# Altium PCB Hrafn_backup.PcbDoc (part 3 of 5)
Units mil, origin at the board's own origin, x right, y up, seen from the top; angles counter-clockwise.
Board outline 3346.46 x 3729.53 mil, 6 copper layers (Top Layer, GND, Internal Top, Internal Bottom, PWR, Bottom Layer), stack 55.468 mil thick; 375 components, 229 nets, 1217 pads, 760 vias.
Unrouted connection lines stored in the file: 2.
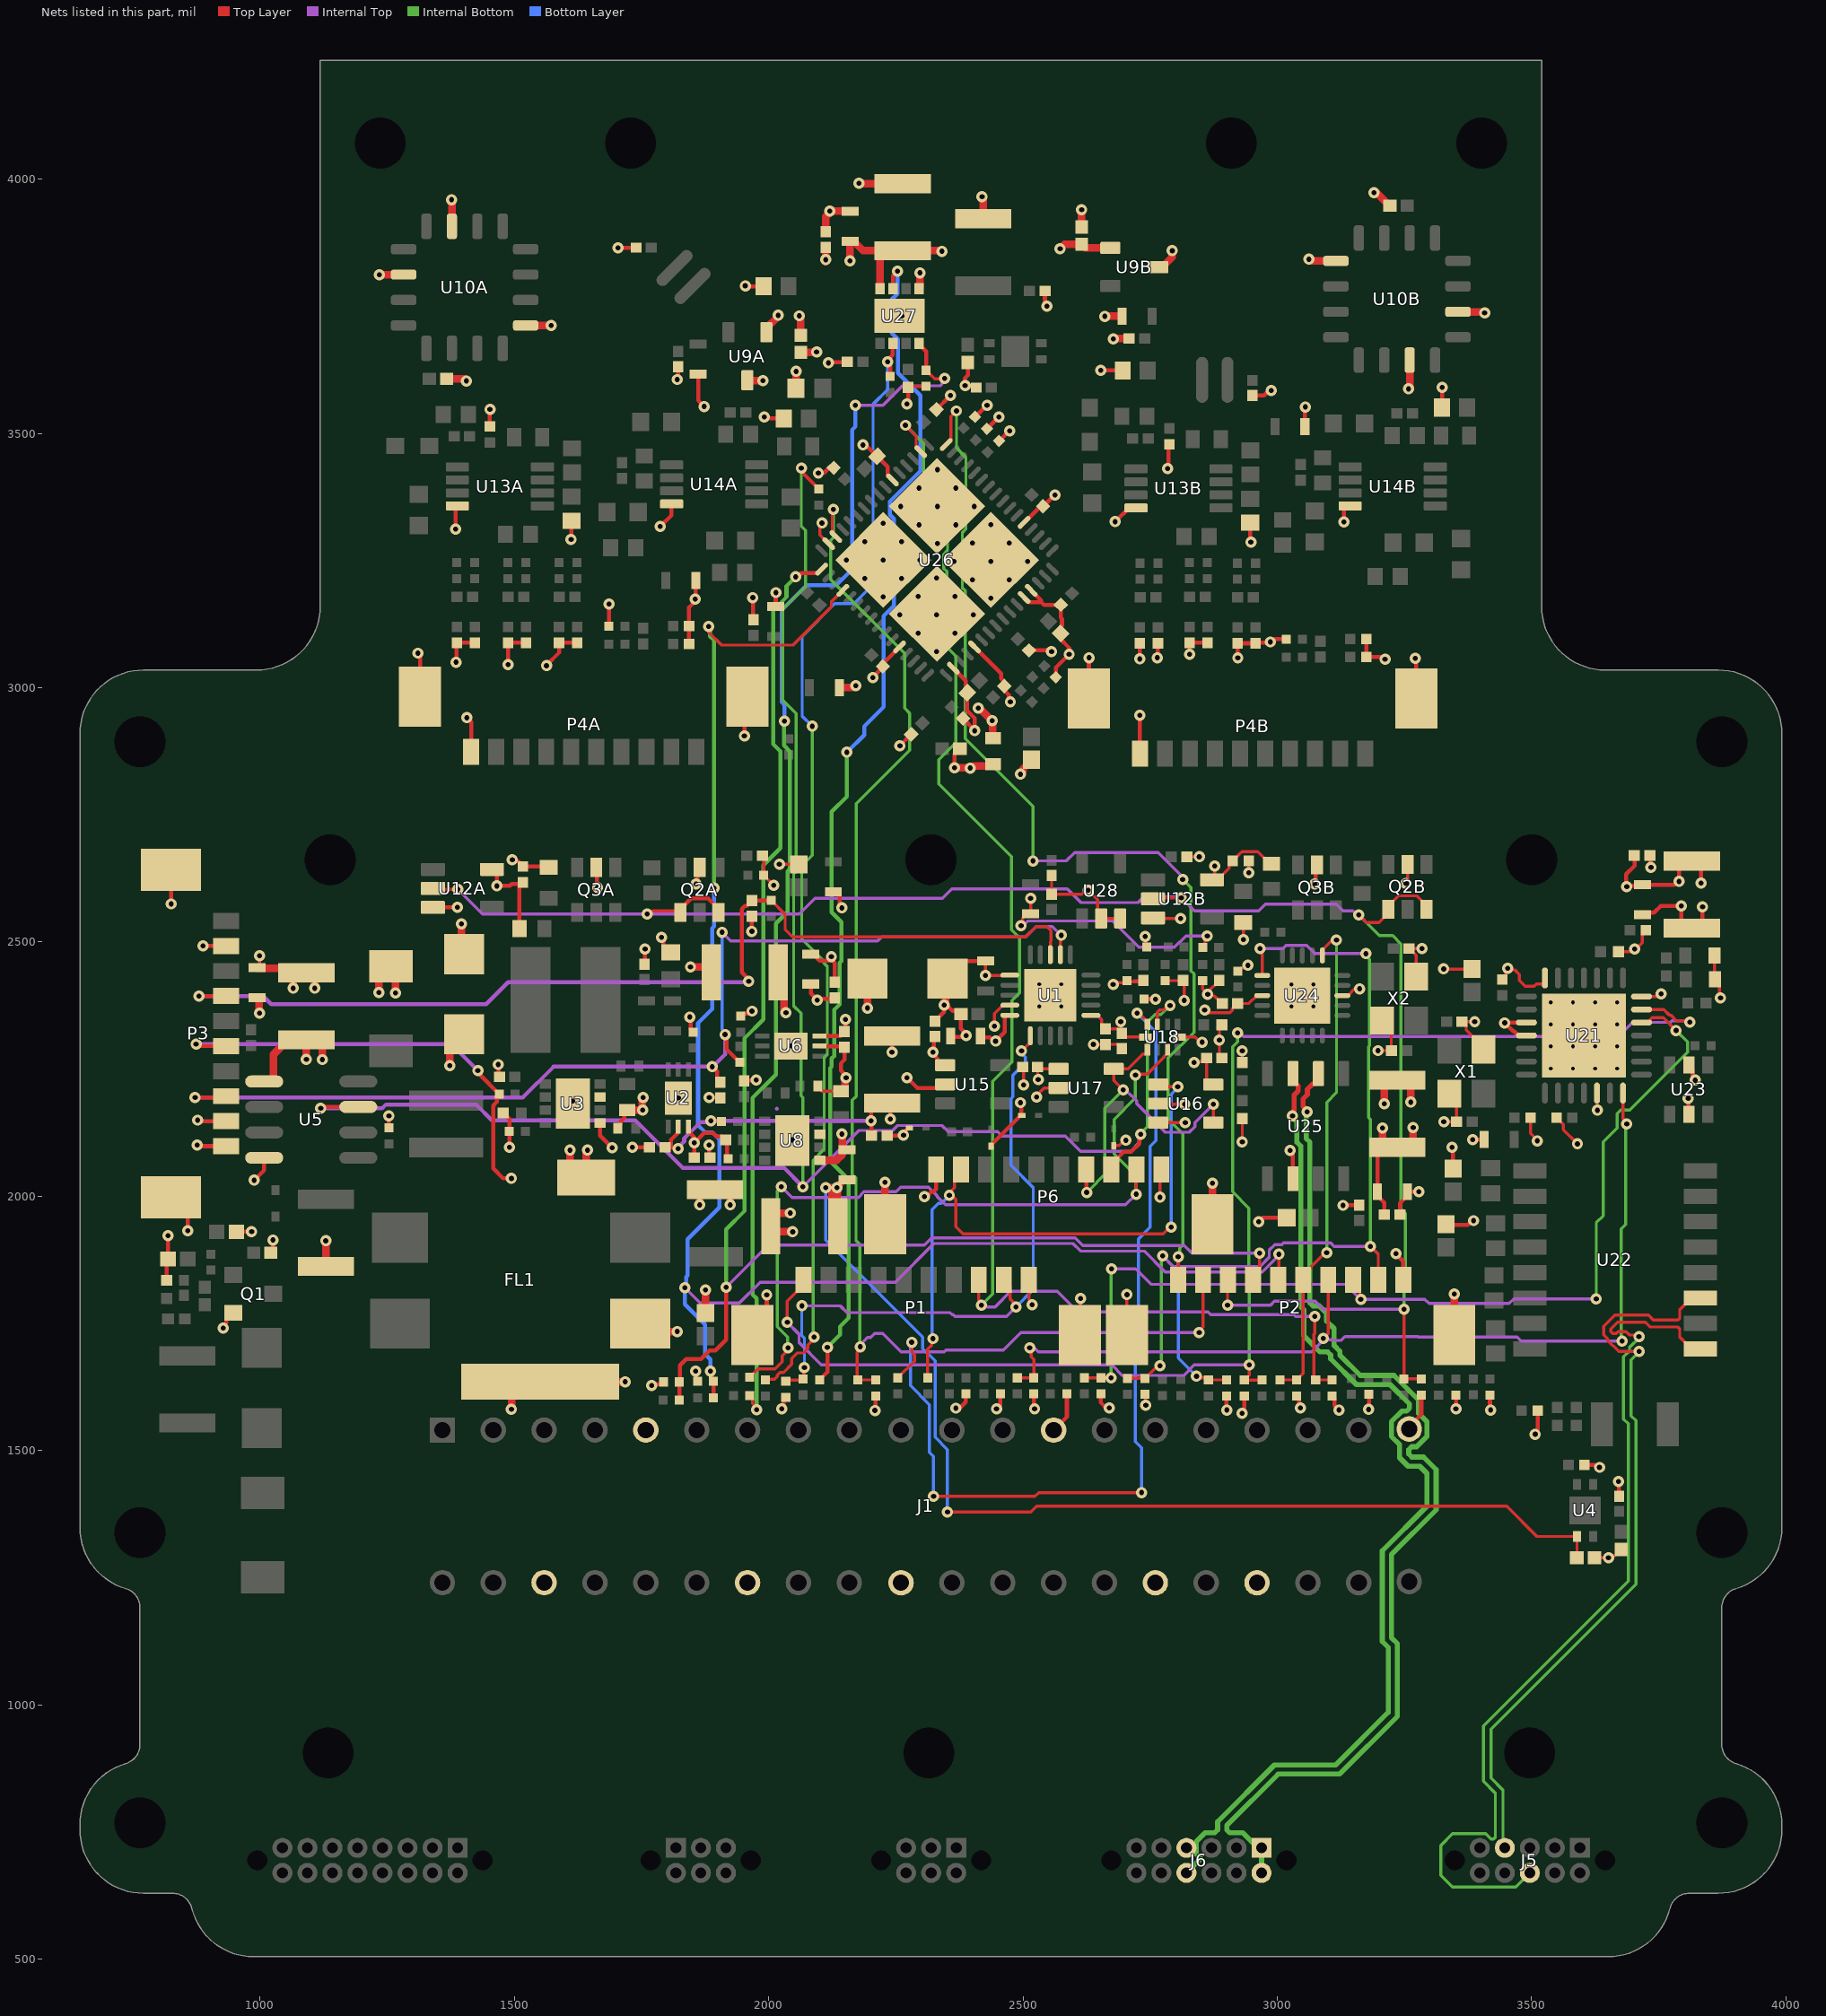
[diagram p7: the nets of this part, all layers, seen from the top]

## Via types
v1: diameter 22, hole 10, Top Layer to Bottom Layer, 698 vias
v2: diameter 23.62, hole 9.84, Top Layer to Bottom Layer, 36 vias
v3: diameter 19.68, hole 7.87, Top Layer to Bottom Layer, 24 vias
v4: diameter 24.02, hole 10, Top Layer to Bottom Layer, 2 vias

## Nets (pads, with @x,y where several pads share a name; then routed paths per layer and width w, separated by ;. In a path a pad name is that pad's centre, name@x,y a point inside that pad or via, vN(x,y) a via of type N, cw(c..) or ccw(c..) an arc to the next point about the centre after c; other vN are vias at no path point) (continued)
AGND: C20.1 C26.1 C37.1 C38A.1 C38B.1 C40.1 C41A.1 C41B.1 C43A.1 C43B.1 C45A.1 C45B.1 C50A.1 C50B.1 C51A.1 C51B.1 C61A.1 C61B.1 C62A.1 C62B.1 C89.1 C90.1 C91.1 C92.1 C93.1 C94.1 C95.1 C99.2 C100.1 C101.1 C102.1 C103.1 C104.1 C105.1 C106.1 C109.2 C111A.1 C111B.1 C111C.1 C111D.1 C111E.1 C111F.1 C111G.1 C111H.1 C112A.1 C112B.1 C112C.1 C112D.1 C112E.1 C112F.1 C112G.1 C112H.1 C116.1 C117.1 P4A.10 P4A.MP1 P4A.MP2 P4B.10 P4B.MP1 P4B.MP2 R75.1 R80.1 R82A.1 R82B.1 R95A.1 R95B.1 R123.2 R124.2 R125.2 R126.2 R127.2 R131.1 R132.1 R134D.1 R134H.1 U9A.3 U9B.3 U10A.5 U10A.11 U10A.14 U10B.5 U10B.11 U10B.14 U13A.4 U13B.4 U14A.4 U14B.4 U26.0 U26.5 U26.22 U26.31 U26.44 U26.50 U26.53 U26.60 U26.61 U27.5 U27.9 | length 4367.4
  Top Layer w6: v1(2104.61,3323.82) 2104.61,3320.17 2100.39,3315.94 2100.39,3300.71 2109.52,3291.59 U26.31@2117.83,3283.28 ; R132.1@2274.05,3590.65 2276.02,3592.61 R131.1@2309.48,3592.61
  Top Layer w8: v1(1310.04,3067.91) 1314.4,3063.55 P4A.MP2@1314.4,2982.38 ; v1(1384,3312) 1384,3353.75 U13A.4@1387.63,3357.38 ; v1(1384.84,3050.2) 1385.73,3051.08 1385.73,3087.42 C112E.1@1386.62,3088.3 C111E.1@1422.05,3088.3 ; v1(1406.5,2940.94) 1414.8,2932.65 P4A.10@1414.8,2874.11 ; C50A.1@1451.61,3513.87 1451.61,3547.08 v1(1451.77,3547.24) ; v1(1487.2,3045.28) 1487.1,3045.38 C112F.1@1487.1,3088.3 C111F.1@1522.54,3088.3 ; v1(1562.99,3043.31) 1562.99,3044.29 1587.59,3068.89 C112G.1@1587.59,3088.3 C111G.1@1623.03,3088.3 ; v1(1611.22,3291.34) 1612.16,3292.28 R95A.1@1612.16,3328.34 ; R134H.1@1685.84,3121.14 1685.84,3164.19 v1(1686.02,3164.37) ; v1(1703.74,3865.16) R82A.1@1739.17,3865.16 ; v1(1786.42,3316.93) 1808.89,3339.4 U14A.4@1808.89,3361.32 ; v1@1820,3604 1821.69,3605.69 C41A.1@1821.69,3630.74 ; C112H.1@1843.32,3085.71 C111H.1@1843.32,3121.14 1843.32,3157.89 1855.32,3169.88 v1(1855.32,3174.21) 1856.53,3175.43 C62A.1@1856.53,3211 ; C61A.1@1861.06,3616.96 1861.06,3564.94 v1(1873,3553) ; v1(1952,2905) 1952,2976.28 P4A.MP1@1958.1,2982.38 ; v1(1953.74,3790.35) 1954.63,3789.47 C38A.1@1989.6,3789.47 ; v1(1968.5,3177.17) 1969.39,3176.28 1969.39,3134.57 C40.1@1970.28,3133.69 ; v1(1991.14,3532.48) 1994,3529.62 C51A.1@2029.36,3529.62 ; C37.1@2013.59,3159.67 2013.59,3186.82 v1(2013.78,3187.01) v1@2013.78,3191.34 ; v1(2097.44,3422.24) 2108.67,3422.24 2118.82,3432.4 C89.1@2127.64,3432.4 ; v1(2117.13,3638.78) 2118.24,3639.89 2153.54,3639.89 C106.1@2154.65,3641 ; v1(2184.94,3477.36) 2190.74,3477.36 C102.1@2213.32,3454.79 2233.7,3434.4 2233.7,3417.95 U26.22@2243.1,3408.55 ; v1(2204.72,3019.69) 2204.72,3021.02 2222.96,3039.25 C94.1@2223.63,3039.25 ; C94.1@2224.29,3041.92 2224.29,3039.25 C94.1@2223.63,3039.25 ; U26.44@2257.02,3080.05 2257.02,3079.56 2223.63,3046.16 C94.1@2223.63,3039.25 ; U27.9@2257,3731 v1(2261.5,3731) ; v1(2257.87,2885.83) 2257.87,2886.13 C20.1@2280.17,2908.43 ; v1(2271.65,3558.07) 2274.05,3560.46 R132.1@2274.05,3590.65 ; R127.2@2329.46,3546.98 v1(2357.28,3574.8) ; U26.50@2362.81,3038.3 2387.29,3013.82 C103.1@2387.29,2989.9 ; C105.1@2381.77,2939.56 2405.1,2916.23 v1(2405.1,2915.35) ; C103.1@2390.16,2989.9 2390.16,2954.84 2404.53,2940.47 v1@2404.53,2916.8 ; C26.1@2391.24,3639.7 2391.24,3614.31 2385.14,3608.22 2385.14,3594.86 2387.95,3592.05 2406.01,3592.05 R75.1@2407.97,3590.09 ; U26.53@2404.57,3080.05 2457,3027.63 2457,3018.09 2463.14,3011.96 C92.1@2463.14,3003.14 2463.14,2994.32 2472.32,2985.13 2472.32,2974.68 v1(2475,2972) ; R126.2@2405.4,3532.69 2406.71,3532.69 2406.71,3533.35 2428.48,3555.12 v1(2429.13,3555.12) ; R125.2@2429.02,3509.07 2429.35,3509.07 2429.35,3509.24 2452.59,3532.48 v1(2452.76,3532.48) ; R124.2@2452.64,3485.45 2453.95,3485.45 2453.95,3486.11 2472.77,3504.92 v1(2473.43,3504.92) ; U26.60@2502.01,3177.49 2511.05,3168.44 2535.67,3168.44 ; U26.5@2502.01,3325.04 2502.5,3325.04 2534.35,3356.88 C95.1@2539.25,3356.88 2540.94,3356.88 2540.94,3357.72 2562.15,3378.94 v1(2562.99,3378.94) ; C91.1@2511.69,3073.42 2553.55,3073.42 v1(2556.1,3070.87) ; U26.61@2515.93,3191.41 2535.67,3171.66 2535.67,3168.44 ; C101.1@2542.91,3780.51 2542.91,3754.13 v1(2546.65,3750.39) ; R123.2@2564.29,3020.36 2564.29,3039.68 v1(2590.55,3065.94) 2590.55,3078.43 2573.55,3095.43 C104.1@2573.55,3107.03 2573,3107.59 2573,3119.19 2576.43,3122.62 2576.43,3135.8 2574.07,3138.16 C90.1@2574.07,3162.98 2541.13,3162.98 2535.67,3168.44 ; P4B.MP2@2629.36,2978.44 2629.36,3058.5 v1(2629.92,3059.06) ; v1(2652.56,3624.02) C38B.1@2695.87,3624.02 ; v1(2681.1,3326.44) 2708.1,3353.44 U13B.4@2721.88,3353.44 ; v1(2729.33,2945.87) 2729.33,2870.6 P4B.10@2729.76,2870.17 ; v1(2729.76,3056.53) C112A.1@2729.76,3087.3 ; v1(2763.78,3059.06) 2764.49,3059.76 2764.49,3086.6 C111A.1@2765.19,3087.3 ; v1(2784,3431) 2785.7,3432.7 2785.7,3476.64 C50B.1@2787.4,3478.35 ; v1(2827.18,3066) C112B.1@2827.18,3088.3 C111B.1@2862.61,3088.3 ; v1(2922.24,3058.4) 2921.67,3058.97 C112C.1@2921.67,3087.3 C111C.1@2957.1,3087.3 2958.45,3088.65 2984.65,3088.65 v1(2986,3090) 2989.79,3090 2995.36,3095.57 R134D.1@3017.52,3095.57 ; R95B.1@2946.41,3324.4 2946.41,3287.84 v1(2947.83,3286.42) ; R82B.1@2950.79,3574.8 2973.62,3574.8 2983.47,3584.65 v1(2987.8,3584.65) ; C62B.1@3054.13,3513.78 3054.13,3551.18 v1(3055.12,3552.17) ; v1(3131,3326) 3131,3352.52 3135.86,3357.38 U14B.4@3143.14,3357.38 ; C111D.1@3175,3095.57 C112D.1@3175,3060.14 3207.58,3060.14 v1(3211.61,3056.1) ; v1(3271,3058) 3273.06,3055.94 P4B.MP1@3273.06,2978.44 ; C51B.1@3323.82,3550.94 v1(3323.82,3590.55)
  Top Layer w15: v1(1234.25,3812.01) 1234.57,3812.32 U10A.14@1281.97,3812.32 ; C45A.1@1366.34,3607.28 1401.57,3607.28 v1(1405.51,3603.35) ; v1(1375.98,3959.65) 1376.97,3958.66 U10A.11@1376.97,3907.32 ; U10A.5@1521.97,3712.32 v1(1572.13,3712.32) ; U9A.3@1957.91,3604.58 1958.39,3604.1 1988.11,3604.1 v1(1988.6,3603.62) ; C93.1@2053.43,3589 2053.42,3621.42 v1@2056,3624 ; C43A.1@2062.99,3659.25 2063.37,3659.63 2093.63,3659.63 v1(2094,3660) ; C117.1@2112.2,3896.26 2112.2,3926.7 2120.08,3934.57 v1(2120.08,3937.01) 2120.17,3937.1 C116.1@2159.87,3937.1 ; C100.1@2138.53,3000 2165.11,3000 2169.11,3004 v1(2171,3004) ; v1(2177.17,3992.13) 2178.06,3991.24 C109.2@2263.22,3991.24 ; U27.5@2295.39,3784.94 2297.14,3786.69 v1(2297.14,3815.84) ; v1(2412,2960) 2413.34,2958.66 2415.46,2958.66 v1(2439.03,2935.09) 2439.99,2934.13 2439.99,2901.55 R80.1@2440.94,2900.59 ; v1(2419.29,3965.55) 2421.26,3963.58 C99.2@2421.26,3922.24 ; C43B.1@2615.16,3905.91 v1(2615.16,3939.96) ; v1(2660.43,3730.32) 2660.53,3730.41 C61B.1@2694.58,3730.41 ; v1(2677.17,3686.02) 2678.15,3687.01 C41B.1@2708.66,3687.01 ; U9B.3@2766.02,3827.26 2773.89,3827.26 2793.31,3846.68 v1(2793.31,3859.25) ; v1(3062.01,3842.52) 3065.35,3839.17 U10B.5@3115.16,3839.17 ; v1(3189.96,3973.43) 3194.88,3973.43 3220.47,3947.83 C45B.1@3221.26,3947.83 ; v1(3257.87,3587.6) 3260.16,3589.88 U10B.11@3260.16,3644.17 ; U10B.14@3355.16,3739.17 3405.51,3739.17 v1(3407.48,3737.2)
  other v1: 2386,3594 1820,3606 2054,3622
  other v2: 2330.1,3071.01 2293.91,3107.2 2366.29,3107.2 2257.72,3143.39 2330.1,3143.39 2402.48,3143.39 2436.58,3176.1 2225.01,3178.88 2293.91,3179.58 2366.29,3179.58 2400.39,3212.29 2472.78,3212.29 2188.82,3215.07 2261.2,3215.07 2330.1,3215.77 2364.2,3248.48 2436.58,3248.48 2508.97,3248.48 2152.63,3251.26 2225.01,3251.26 2297.39,3251.26 2331.49,3283.97 2400.39,3284.67 2472.78,3284.67 2188.82,3287.45 2261.2,3287.45 2295.3,3320.16 2367.68,3320.16 2436.58,3320.86 2225.01,3323.64 2259.11,3356.36 2331.49,3356.36 2403.87,3356.36 2295.3,3392.55 2367.68,3392.55 2331.49,3428.74
B_N: J5.6 U22.9 | length 1787.8
  Top Layer w6: v1(3710.97,1724) 3707.91,1727.06 3692.81,1727.06 3685.87,1734 3670.13,1734 3666.27,1730.14 3658.93,1730.14 3655.41,1733.65 3655.41,1738.63 3669.25,1752.46 3723.7,1752.46 3733.29,1742.87 3787.62,1742.87 3791.13,1739.35 3791.13,1722.83 3814.09,1699.87 U22.9@3831.61,1699.87
  Internal Bottom w6: J5.6@3496.39,669.42 3468.71,641.73 3344.18,641.73 3321.07,664.84 3321.07,723.21 3344.18,746.32 3409.44,746.32 3420.09,735.66 3425.06,735.66 3428.57,739.18 3428.57,826.3 3405,849.88 3405,958.21 3690,1243.21 3690,1552.59 3680.7,1561.89 3680.7,1684.03 3692.36,1695.69 3692.36,1702.56 3710.97,1721.17 v1(3710.97,1724)
B_P: J5.7 U22.11 | length 1469.8
  Top Layer w6: v1(3711.36,1694.69) 3671.44,1694.69 3649.03,1717.1 3649.03,1720.24 3641.41,1727.86 3641.41,1744.42 3663.45,1766.46 3729.5,1766.46 3739.09,1756.87 3787.62,1756.87 3791.13,1760.38 3791.13,1776.91 3814.09,1799.87 U22.11@3831.61,1799.87
  Internal Bottom w6: J5.7@3447.18,718.63 3442.64,714.08 3436.7,714.08 3433.18,717.6 3433.18,722.57 3443.57,732.96 3443.57,832.51 3420,856.09 3420,952 3705,1237 3705,1558.8 3695.7,1568.1 3695.7,1677.82 3711.36,1693.48 v1(3711.36,1694.69)
CAN_CSb: P2.9 R17.2 R37.1 U24.16 | length 1664.5
  Top Layer w6: R17.2@2705,1641.75 R37.1@2740,1641.75 2764.86,1666.61 v1(2769,1666.61) ; v1(2966,2487) 2969.06,2483.94 2969.06,2477.28 2970.35,2475.99 U24.16@2970.35,2434.14 ; v1(3183.07,1901.33) 3198.31,1886.09 P2.9@3198.31,1835.71
  Internal Top w6: v1(2774.5,1882.5) 2795.2,1861.8 2965.67,1861.8 2984,1880.13 2984,1893.87 2995.13,1905 3008.87,1905 3011.87,1908 3104.87,1908 3111.54,1901.33 v1(3183.07,1901.33) ; v1(2966,2487) 3010.76,2487 3017.08,2493.32 3057.51,2493.32 3073.84,2477 v1(3174,2477)
  Internal Bottom w6: v1(2769,1666.61) 2771.75,1669.36 2771.75,1879.75 v1(2774.5,1882.5) ; v1(3174,2477) 3174,2472.67 3181,2465.67 3181,2296.06 3179.15,2294.21 3179.15,2154.93 3183.07,2151.01 v1(3183.07,1901.33)
CAN_INT: P2.6 R22.2 R44.1 U24.11 | length 978
  Top Layer w6: R22.2@3005.39,1638.86 R44.1@3037.89,1638.86 3050.67,1651.64 P2.6@3050.67,1835.71 3050.67,1845.55 3094.12,1889 v1(3097,1889) ; U24.11@3088.47,2473.51 3088.47,2484.33 3107.76,2503.63 v1(3116.23,2503.63)
  Internal Bottom w6: v1(3097,1889) 3097,2184.53 3116.23,2203.76 v1(3116.23,2503.63)
CAN_n: J6.1 J6.2 U25.6 | length 2086
  Top Layer w10: v1(3058.8,2165.72) 3058.8,2168.97 3050.8,2176.97 3050.8,2191.72 3059.1,2200.02 3059.1,2210.26 3070.45,2221.61 3074.77,2221.61 3080.59,2227.44 U25.6@3080.59,2241.22
  Internal Bottom w10: J6.2@2968.83,669.42 2968.83,711.4 2931.92,748.32 2906.27,748.32 2900.41,754.17 2900.41,762.46 3001.59,863.64 3122.09,863.64 3236,977.54 3236,1120.26 3224.15,1132.12 3224.15,1295.2 3312.15,1383.2 3312.15,1462.47 3287.46,1487.15 3264.33,1487.15 3258.28,1493.2 3258.28,1501.48 3264.14,1507.34 3273.65,1507.34 3294.15,1527.84 3294.15,1556.84 3277.87,1573.11 3277.87,1598.94 3229.24,1647.57 3162.97,1647.57 3122.7,1687.84 3122.7,1695.37 3111.55,1706.52 3111.55,1739.75 3096.87,1754.43 3096.87,1769.82 3082.2,1784.5 3069.86,1784.5 3064,1790.36 3064,2106.15 3056.51,2113.65 3056.51,2150.66 3056.51,2163.43 v1(3058.8,2165.72)
CAN_p: J6.7 J6.8 U25.7 | length 2081
  Top Layer w10: v1(3029.8,2158.17) 3032.1,2160.46 3032.1,2168.95 3032.8,2169.65 3032.8,2199.18 3041.1,2207.47 3041.1,2216.93 3030.59,2227.44 U25.7@3030.59,2241.22
  Internal Bottom w10: J6.8@2821.2,669.42 2849.42,697.64 2840.72,706.33 2840.72,730.93 2858.11,748.32 2876.56,748.32 2882.41,754.17 2882.41,769.91 2994.14,881.64 3114.64,881.64 3218,985 3218,1112.81 3206.15,1124.66 3206.15,1302.66 3294.15,1390.66 3294.15,1455.01 3280.01,1469.15 3256.87,1469.15 3240.28,1485.74 3240.28,1511.71 3224.15,1527.84 3224.15,1556.84 3244.65,1577.34 3254.01,1577.34 3259.87,1583.2 3259.87,1591.48 3221.79,1629.57 3155.52,1629.57 3104.7,1680.38 3104.7,1687.91 3098.82,1693.79 3083.6,1693.79 3052.5,1724.89 3052.5,1776.4 3046,1782.9 3046,2098.7 3038.51,2106.19 3038.51,2146.31 3029.8,2155.01 v1(3029.8,2158.17)
CLK: P6.8 R129.1 U5.7 U18.8 | length 3800
  Top Layer w6: v1@2063.98,3425.2 v1(2063.98,3432.09) ; U18.8@2764.16,2338.1 2764.16,2362 2768.4,2366.24 2775.91,2366.24 2784.67,2375 v1(2789,2375)
  Top Layer w8: v1(1119.09,2173.23) 1121.46,2175.59 U5.7@1192.91,2175.59 ; v1@2063.98,3425.2 R129.1@2098.43,3390.75 ; P6.8@2673.49,2053 2673.49,2062.84 2698.24,2087.59 2703.22,2087.59 2712.36,2087.59 2728.32,2103.55 2728.32,2119 v1(2731,2121.68)
  Internal Top w6: v1(2066.93,2018.7) 2177.57,2129.35 2243.22,2129.35 2252.87,2139 2340.71,2139 2352.45,2127.25 2449.5,2127.25 2458.75,2118 2583.28,2118 2612.69,2088.59 2711.94,2088.59 2727.94,2104.58 2727.94,2118.62 v1(2731,2121.68)
  Internal Top w8: v1(1119.09,2173.23) 1239.94,2173.23 1247.13,2180.42 1424.4,2180.42 1455.54,2149.28 1737.44,2149.28 1830.72,2056 2029.63,2056 v1(2066.93,2018.7)
  Internal Bottom w6: v1(2063.98,3432.09) 2063.98,3317.17 2072,3309.15 2072,3198.56 2027,3153.56 2027,2975.95 2053.71,2949.24 2053.71,2638.93 2048.93,2634.15 2048.93,2374.43 2063.5,2359.87 2063.5,2197.33 2066.93,2193.9 v1(2066.93,2018.7) ; v1(2731,2121.68) 2731,2123.27 2744.35,2136.61 2744.35,2342.35 2759.14,2357.14 2771.14,2357.14 v1(2789,2375)
CLK_GOOD: P6.2 R11.2 U16.1 | length 1268.3
  Top Layer w6: R11.2@2312.48,1642.8 2312.48,1699.29 2319.95,1706.76 2319.95,1716.95 v1(2323,1720) ; 2367.81,1993.52 2359.33,2002 v1(2355,2002) 2355,2006.33 2365.46,2016.79 2365.46,2040.25 P6.2@2378.21,2053 ; 2367.83,1993.52 2367.83,1940.38 2382.02,1926.18 2775.53,1926.18 2788.35,1939 v1(2791,1939) ; U16.1@2765.83,2219.57 2769.84,2215.55 v1(2804.13,2215.55)
  Bottom Layer w6: v1(2323,1720) 2320.87,1722.13 2320.87,1973.43 2333.62,1986.18 2339.18,1986.18 v1(2355,2002) ; v1(2791,1939) 2791,2200.4 2804.13,2213.53 v1(2804.13,2215.55)
CLK_PRI: P6.7 U16.4 U17.5 U18.1 | length 696.5
  Top Layer w6: v1(2697,2209) 2696.51,2209 2678.13,2227.38 U17.5@2678.13,2250.4 2706.53,2250.4 2735.71,2279.58 2741.57,2279.58 2744.47,2282.49 U18.1@2744.47,2287.9 ; v1(2874.02,2181.1) 2874.09,2181.02 U16.4@2874.09,2144.76
  Top Layer w8: P6.7@2624.28,2053 2624.28,2008.2 v1(2625,2007.48) ; v1@2697,2205.21 v1(2697,2209)
  Internal Top w6: v1(2697,2209) 2701.33,2209 2712.88,2197.45 2713.8,2197.45 2723.24,2188.02 2723.24,2182.28 2779.75,2125.76 2826.85,2125.76 2837.98,2136.89 2837.98,2145.06 v1(2874.02,2181.1)
  Internal Bottom w6: v1(2625,2007.48) 2625,2011 2628.52,2011 2661,2043.48 2661,2173 v1(2697,2209)
CLK_SEC: P6.9 R3.1 U18.3 | length 1584.1
  Top Layer w6: R3.1@1962.09,1643.78 1978.69,1660.39 2012.64,1660.39 2026.57,1674.32 2026.57,1686.3 2037.61,1697.34 v1(2037.61,1702.21) ; v1(2721,2238) 2723.19,2240.19 2744,2240.19 2777.08,2273.27 2777.08,2274.74 2783.84,2281.5 U18.3@2783.84,2287.9 ; v1(2722.44,2003.94) 2722.44,2052.74 P6.9@2722.7,2053
  Internal Top w6: v1(2024.61,2018.7) 2045.56,1997.75 2176.3,1997.75 2187.16,2008.61 2250.09,2008.61 2259.48,2018 2313.87,2018 2330.5,2001.37 2330.5,1999.63 2347.13,1983 2701.5,1983 v1(2722.44,2003.94)
  Internal Bottom w6: v1(2024.61,2018.7) 2016.42,2010.51 2016.42,1743.68 2036.89,1723.21 2036.89,1702.94 v1(2037.61,1702.21) ; v1(2721,2238) 2721,2193 2679,2151 2679,2083.35 2722.44,2039.91 v1(2722.44,2003.94)
CLK_SEL: R10.2 U18.9 | length 1833.5
  Top Layer w6: R10.2@2253.43,1642.8 2286.42,1675.79 2286.42,1687.87 2281.22,1693.06 2281.22,1712.7 v1(2281,1712.92) ; v1(2324,1410) 2523.44,1410 2530.76,1417.32 v1(2733.27,1417.32) ; v1(2724,2360) 2727.98,2360 2744.47,2343.51 U18.9@2744.47,2338.1
  Bottom Layer w6: v1(2281,1712.92) 2278.54,1710.46 2278.54,1627.69 2316.02,1590.21 2316.02,1496.63 2324,1488.65 v1(2324,1410) ; v1(2724,2360) 2761,2323 2761,2109.25 2750,2098.25 2750,1938.87 2727.02,1915.89 2727.02,1738.1 2721,1732.07 2721,1517.87 2733.27,1505.6 v1(2733.27,1417.32)
CUR_MON_3V3: C108.2 P3.8 R64.2 U1.2 | length 2218
  Top Layer w6: U1.2@2573.31,2475 2573.31,2511.47 v1(2574.96,2513.11)
  Top Layer w8: v1(872.05,2193.9) 930.12,2193.9 P3.8@933.07,2196.85 ; v1(1888.78,2254.63) 1898.29,2245.12 1898.29,2230.25 C108.2@1904.53,2224.02 ; v1(1914,2318) 1916.67,2315.33 1916.67,2289.59 R64.2@1943,2263.25
  Internal Top w6: v1(1908.46,2519.17) 1908.46,2518.7 1925.2,2501.97 2213.91,2501.97 2221.94,2510 2504.99,2510 2525.34,2530.35 2557.72,2530.35 v1(2574.96,2513.11)
  Internal Top w8: v1(872.05,2193.9) 1516.18,2193.9 1576.91,2254.63 1889.76,2254.63 1914.37,2279.23 1914.37,2317.63 v1(1914,2318)
  Bottom Layer w6: v1(1908.46,2519.17) 1908.46,2476.77 1908.17,2476.47 1908.17,2328.16 1914,2322.33 v1(1914,2318)
CUR_MON_5V: C107.2 P3.4 R55.2 U1.3 | length 2028.8
  Top Layer w6: R55.2@2004.92,2581.69 2032.09,2554.52 2032.09,2524.99 2047.09,2510 2504.99,2510 2525.34,2530.35 2546.84,2530.35 2554.96,2522.23 2554.96,2502.07 2553.63,2500.74 U1.3@2553.63,2475
  Top Layer w8: v1(879.92,2393.7) P3.4@933.07,2393.7 ; v1(1960.63,2422.88) 1960.63,2426.67 1946.83,2440.47 1946.83,2564.49 1952.87,2570.53 1956.94,2570.53 1966.83,2580.42 C107.2@1966.83,2581.21 1967.07,2581.45 2004.68,2581.45 R55.2@2004.92,2581.69
  Internal Top w8: v1(879.92,2393.7) 1005.65,2393.7 1021.69,2377.65 1444.37,2377.65 1487.66,2420.94 1958.69,2420.94 v1(1960.63,2422.88)
D3V3: C12.2 C13.2 C23.2 C33.2 C34.2 C46A.2 C46B.2 C56.2 C57.2 C58.2 C59.2 C60.1 C78.1 C79.2 C80.2 C84.2 C85.1 C86.2 C87.2 C96.1 C97.2 C98.2 D6.1 FB5.2 FB6.2 FB7.2 FB8.1 P3.6 P6.1 R29.2 R30.2 R32.2 R33.2 R35.2 R36.2 R37.2 R38.2 R40.2 R42.2 R43.2 R44.2 R46.2 R54.2 R59.2 R72.1 R73.2 R74.2 R81A.2 R81B.2 R103.1 R104.2 R117.2 U1.10 U1.16 U2.2 U6.2 U12A.5 U12B.5 U15.1 U16.3 U16.5 U17.1 U18.10 U23.5 U24.18 | length 4292.2
  Top Layer w6: 1808,2095.62 1821.38,2095.62 v1@1823.47,2093.53 ; v1(1856,1656) 1857.86,1654.14 1857.86,1637.78 R43.2@1859.72,1635.92 ; v1(2025.69,1581.96) 2026.91,1583.18 v1@2026.91,1585.59 ; R72.1@2096.64,2216.56 2096.64,2214.59 2104.51,2206.72 R74.2@2141.91,2206.72 ; v1@2528.74,2227.56 C58.2@2528.74,2253.94 2532.28,2250.4 U17.1@2569.87,2250.4 ; U1.16@2633.35,2355.91 2646.09,2355.91 2654.76,2347.24 2654.76,2336.59 C12.2@2662,2329.35 2685.39,2329.35 C59.2@2694,2320.75 ; v1@2692,2348 2692.76,2347.24 2692.76,2321.98 C59.2@2694,2320.75 ; R37.2@2740,1610.25 2741.15,1609.1 2741.15,1590.96 v1@2742.31,1589.81 ; v1@2740,2510 2741.37,2508.63 2741.37,2491.37 R46.2@2742.75,2490 ; U18.10@2740.14,2313 2700.96,2313 C59.2@2694,2319.96 C59.2@2694,2320.75 ; U16.3@2765.83,2144.76 v1(2818.98,2144.76) ; v1@2834,2261 2838.33,2261 2842.09,2264.76 2853.8,2264.76 C57.2@2861.04,2272 2861.04,2228.38 2869.85,2219.57 U16.5@2874.09,2219.57 ; v1(2857,2366) 2862.22,2360.78 2906.35,2360.78 2911.03,2365.47 2911.03,2368.91 2921.14,2379.02 2943.78,2379.02 2959.53,2394.77 U24.18@2970.35,2394.77 ; v1(2876.97,2649.61) 2876.97,2627.45 U12B.5@2871.62,2622.11 2882.45,2622.11 2905.17,2644.82 2905.17,2652.21 2925.66,2672.71 2925.66,2673 2930.35,2677.68 2961.1,2677.68 2985.24,2653.54 R81B.2@2988.19,2653.54 ; R103.1@2922,2442.75 2927.86,2448.61 2932.28,2448.61 2937.67,2454 v1(2942,2454) ; v1(2930.99,2107.01) R117.2@2930.99,2152.64 ; v1(3327,2447) 3327.32,2446.68 FB6.2@3383,2446.68
  Top Layer w8: v1@881.2,2295.28 P3.6@933.07,2295.28 ; v1(1428,2247) 1430.68,2244.32 1430.68,2239.95 R59.2@1469.91,2200.72 1465.05,2195.87 1465.05,2185.22 1458.11,2178.28 1458.11,2054.89 1478,2035 v1(1494,2035) ; U12A.5@1455.71,2642.72 1456.76,2642.72 1465.55,2633.92 v1(1465.55,2610.24) 1490.93,2610.24 1494.5,2613.8 1513.41,2613.8 1509.84,2610.24 R81A.2@1509.84,2526.57 ; v1(1769.68,1627.95) 1771.94,1630.2 1788.08,1630.2 R42.2@1792.79,1634.92 ; C13.2@1796.35,2096 1808,2096 1808,2110.96 1821.08,2124.04 1821.08,2135.78 U2.2@1822,2136.7 ; v1(1886,2148) 1886.5,2147.5 1906.75,2147.5 R73.2@1907.25,2147 ; v1@2026.91,1585.59 2028.75,1587.44 2028.75,1599.62 R38.2@2033.46,1604.33 ; v1@2033.46,2361.54 v1(2033.85,2361.15) ; C33.2@2082.68,2417.32 2082.68,2398.62 v1(2095.47,2385.83) 2097.64,2387.99 2127.76,2387.99 C34.2@2129.92,2390.16 ; U6.2@2099.79,2295.3 2100.71,2294.38 2146.96,2294.38 C23.2@2148.62,2292.72 2148.62,2268.26 2141.91,2261.55 2141.91,2246.87 2152,2236.79 v1(2152,2233) ; v1(2201,2148.35) v1@2201.21,2148.35 ; C80.2@2202.24,2119.17 2202.24,2147.31 v1@2201.21,2148.35 ; v1(2208.66,1578.74) 2210.12,1580.2 R40.2@2210.12,1607.36 ; v1(2239,2152) 2239,2179.95 2242.2,2183.15 2215.98,2183.15 2201.21,2168.39 v1@2201.21,2148.35 ; v1(2306,1999) 2309.79,1999 2319.32,2008.53 2323.34,2008.53 2329,2014.18 P6.1@2329,2053 ; C56.2@2326.77,2313.78 2329.72,2310.83 2328.96,2310.83 2324.89,2306.76 2324.89,2284.89 v1(2323,2283) 2323,2279.21 2331.18,2271.03 2331.18,2265.21 2338.99,2257.4 U15.1@2346.87,2257.4 ; v1(2367.85,1583.27) 2368.41,1582.72 2375.04,1582.72 2387.28,1594.96 R29.2@2387.28,1611.3 ; C79.2@2416.32,2315.01 2416.32,2312.01 2435.2,2312.01 2442.21,2305 v1(2446,2305) 2464.13,2323.13 2464.13,2355.05 2464.98,2355.91 U1.10@2473.91,2355.91 ; v1(2447.68,1582.21) 2449.34,1582.21 2455.21,1588.09 R30.2@2455.21,1611.3 ; R35.2@2653.06,1611.3 2653.06,1593.98 2663.39,1583.66 v1(2669.29,1583.66) ; R54.2@2737.75,2388 2737.97,2387.78 2759.95,2387.78 v1(2760.17,2387.56) ; v1(2930.83,1572.89) 2930.83,1575.51 2935,1579.68 R104.2@2935,1607 ; v1(2963,1950) 2970.76,1957.76 FB8.1@3018.15,1957.76 ; R44.2@3037.89,1607.36 3042.32,1602.93 3042.32,1586.68 v1(3045,1584) ; R36.2@3107.76,1607.36 3112.61,1602.5 3112.61,1588.17 v1(3121.06,1579.72) ; v1(3179.13,1580.71) 3180,1581.57 R33.2@3180,1610.25 ; C98.2@3210.41,1963.84 3210.41,1987.38 3196.73,2001.06 3196.73,2081.29 3211.49,2096.06 3218.26,2096.06 C96.1@3236,2096.06 ; FB7.2@3331.69,1944.92 3332.72,1943.9 3374.11,1943.9 3382.21,1952 v1(3386,1952) ; v1(3343.5,2096.46) 3345.47,2094.49 FB5.2@3345.47,2054.18 ; v1(3351,1582) R32.2@3351,1609.25 ; C86.2@3718,2553.47 3722.04,2557.52 3740.52,2557.52 3754,2571 v1(3794,2571) 3794,2553.47 3794,2541.82 3808.76,2527.06 C85.1@3815,2527.06 3821.24,2527.06 3836,2541.82 v1(3836,2569) ; C87.2@3732.35,2670 3733.48,2668.88 3733.48,2645.78 v1@3734.6,2644.66 ; U23.5@3809.06,2257.87 3816.08,2250.85 3816.08,2237.48 3821.5,2232.06 v1(3821.5,2228.27)